# Altium PCB ic_tester.PcbDoc (part 1 of 2) (continued)
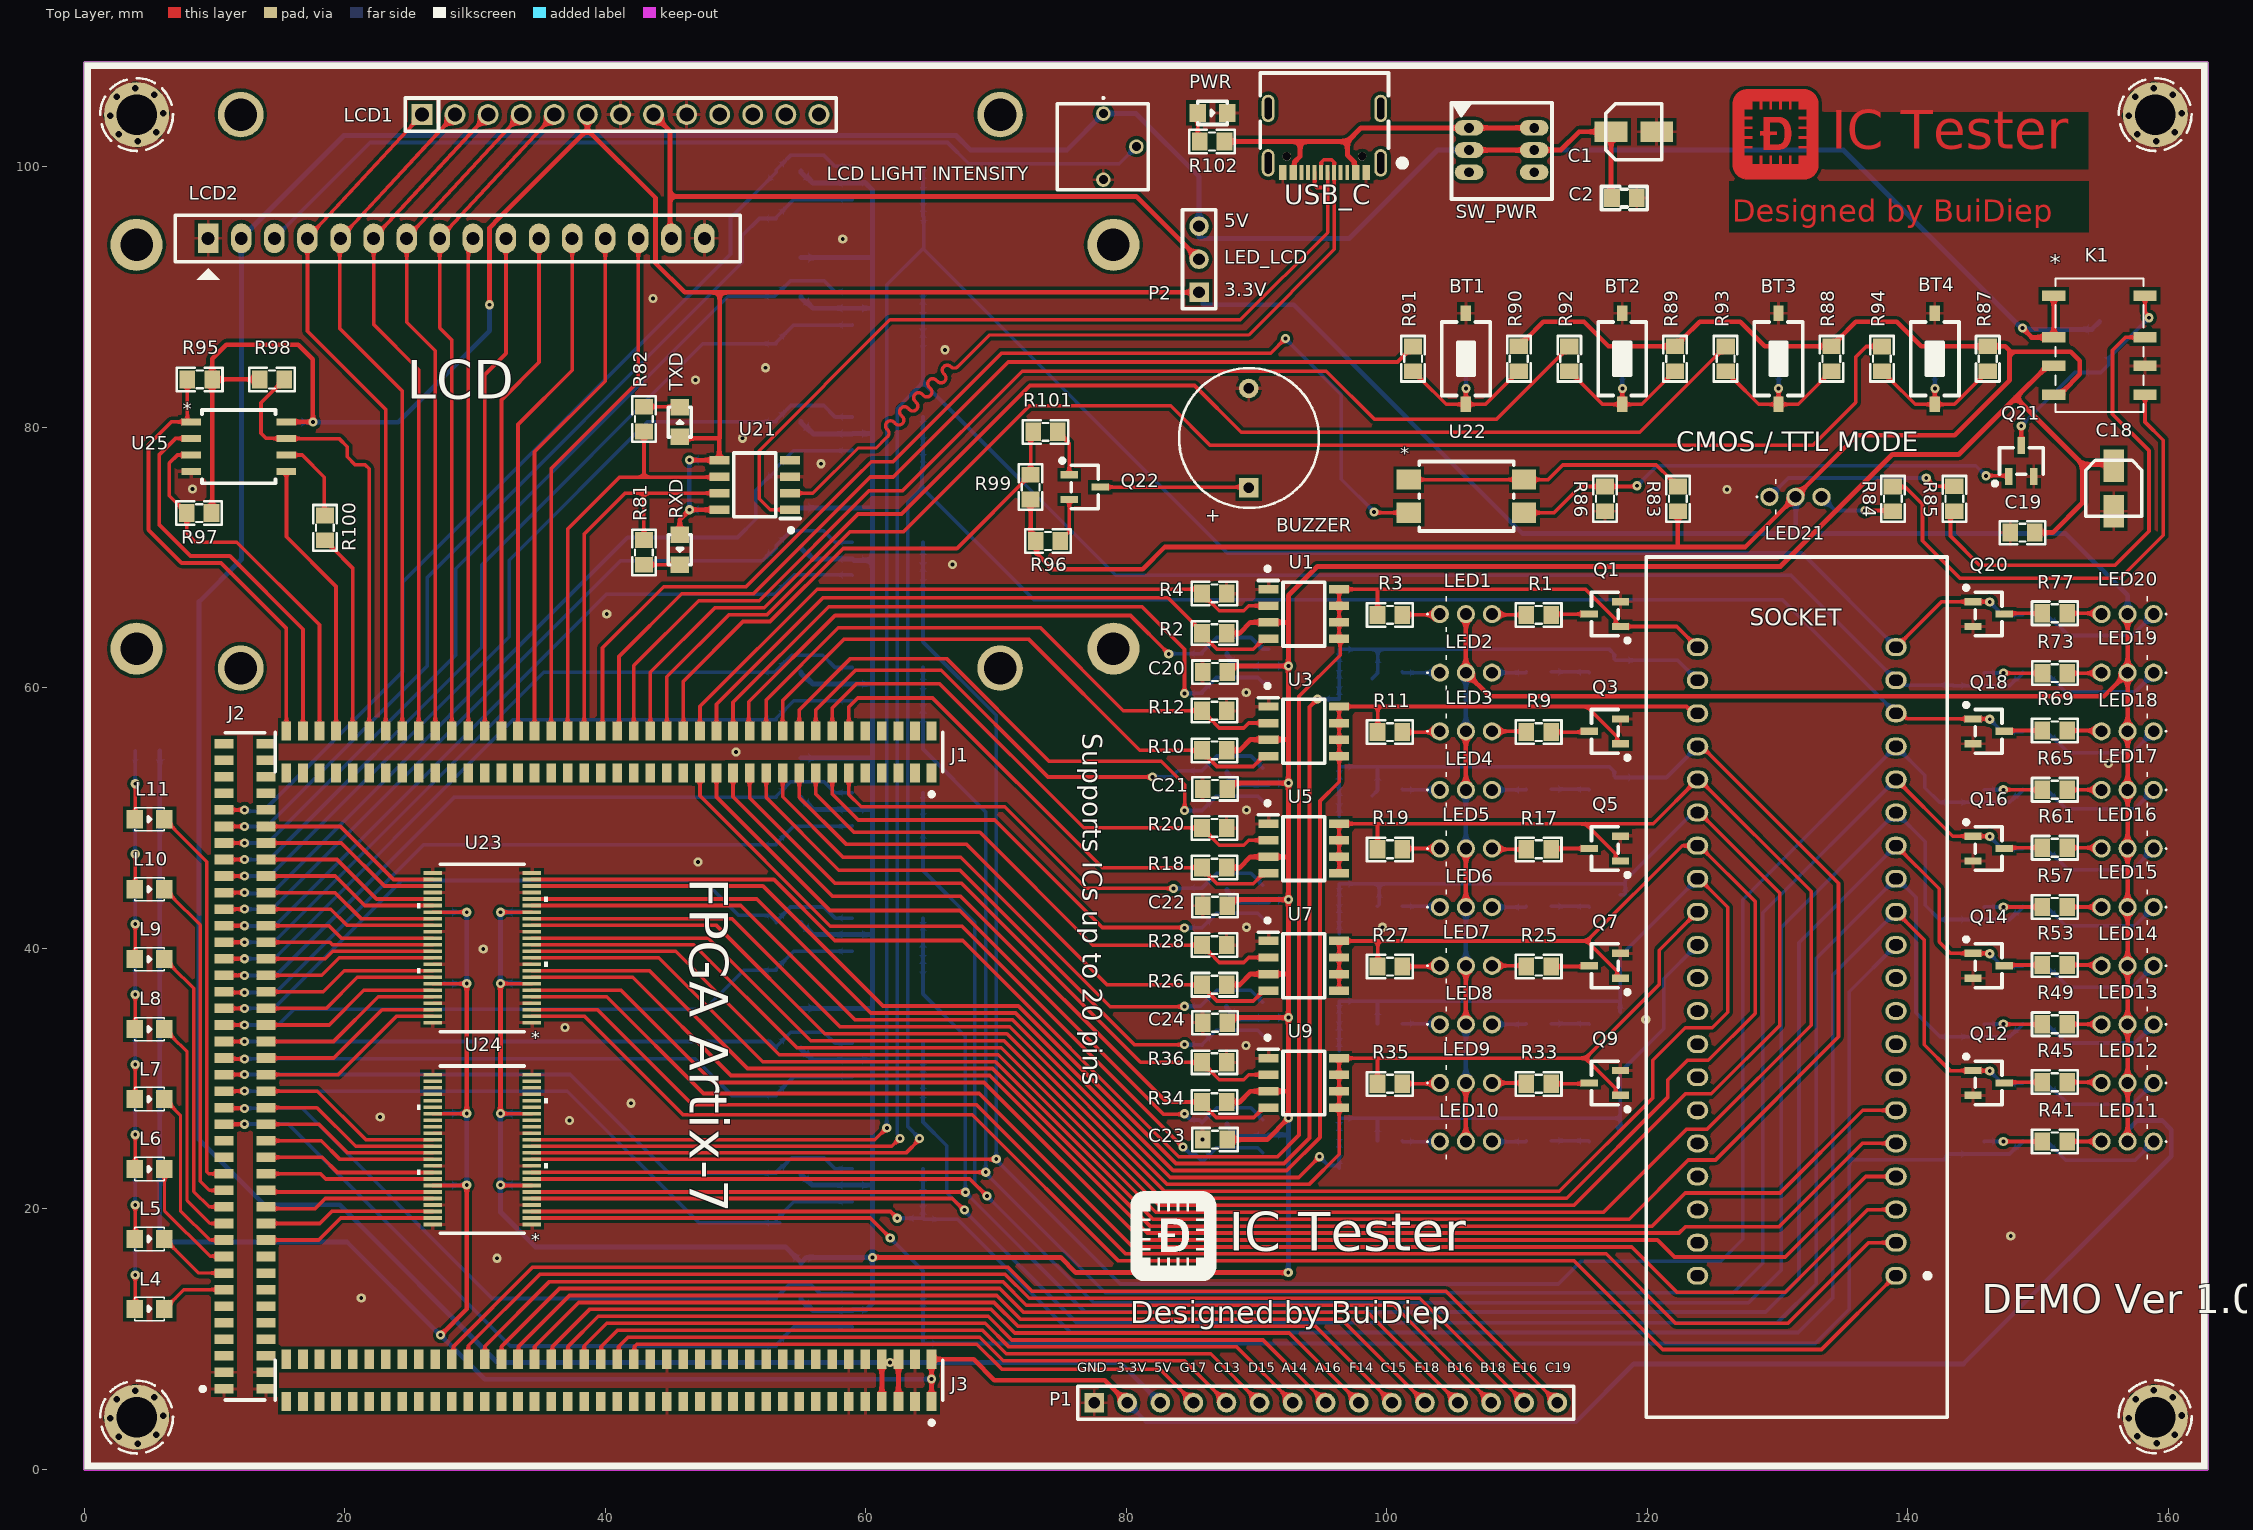
[diagram p0: Top Layer view]
## Footprints (in the part's own frame and the unit in brackets; to place one, negate y for a bottom-side part, rotate by r counter-clockwise, add the part's x,y. Pads: shape width x height; smd on the part's side, far side on the other; paste and mask are expansions set on the pad)
3362P_1 [mm]
  round 1.12 hole 0.69: 1(-2.54,3.53) 2(0,6.07) 3(2.54,3.53)
  silkscreen extent -3.78,0 3.3,6.99, body extent -3.3,-0.03 3.3,6.96, height 4.57
CLP-140-02-XXX-D-A [mm]
  rect 0.74x1.47 smd: 1(24.765,-1.615) 2(24.765,1.615) 3(23.495,-1.615) 4(23.495,1.615) 5(22.225,-1.615) 6(22.225,1.615) 7(20.955,-1.615) 8(20.955,1.615) 9(19.685,-1.615) 10(19.685,1.615) 11(18.415,-1.615) 12(18.415,1.615) 13(17.145,-1.615) 14(17.145,1.615) 15(15.875,-1.615) 16(15.875,1.615) 17(14.605,-1.615) 18(14.605,1.615) 19(13.335,-1.615) 20(13.335,1.615) 21(12.065,-1.615) 22(12.065,1.615) 23(10.795,-1.615) 24(10.795,1.615) 25(9.525,-1.615) 26(9.525,1.615) 27(8.255,-1.615) 28(8.255,1.615) 29(6.985,-1.615) 30(6.985,1.615) 31(5.715,-1.615) 32(5.715,1.615) 33(4.445,-1.615) 34(4.445,1.615) 35(3.175,-1.615) 36(3.175,1.615) 37(1.905,-1.615) 38(1.905,1.615) 39(0.635,-1.615) 40(0.635,1.615) 41(-0.635,-1.615) 42(-0.635,1.615) 43(-1.905,-1.615) 44(-1.905,1.615) 45(-3.175,-1.615) 46(-3.175,1.615) 47(-4.445,-1.615) 48(-4.445,1.615) 49(-5.715,-1.615) 50(-5.715,1.615) 51(-6.985,-1.615) 52(-6.985,1.615) 53(-8.255,-1.615) 54(-8.255,1.615) 55(-9.525,-1.615) 56(-9.525,1.615) 57(-10.795,-1.615) 58(-10.795,1.615) 59(-12.065,-1.615) 60(-12.065,1.615) 61(-13.335,-1.615) 62(-13.335,1.615) 63(-14.605,-1.615) 64(-14.605,1.615) 65(-15.875,-1.615) 66(-15.875,1.615) 67(-17.145,-1.615) 68(-17.145,1.615) 69(-18.415,-1.615) 70(-18.415,1.615) 71(-19.685,-1.615) 72(-19.685,1.615) 73(-20.955,-1.615) 74(-20.955,1.615) 75(-22.225,-1.615) 76(-22.225,1.615) 77(-23.495,-1.615) 78(-23.495,1.615) 79(-24.765,-1.615) 80(-24.765,1.615)
  silkscreen extent -25.62,-3.38 25.62,1.53, body extent -25.62,-2.28 25.62,2.28, height 2.47
"Coi Chip Speacker" [mm]
  rect 1.5x1.5 hole 0.8: 1(0,0)
  round 1.5 hole 0.8: 2(7.62,0.013)
  silkscreen extent -1.55,-5.38 9.18,5.36, body extent -2.22,-6 13.24,6, height 4.5
CONN40_40-6554_ARS [mil]
  oval 65x54 / inner round 60 / far side round 54 hole 42 slot 34 at 90 deg paste-27 mask+0: 1(-300,950) 2(300,950) 3(-300,850) 4(300,850) 5(-300,750) 6(300,750) 7(-300,650) 8(300,650) 9(-300,550) 10(300,550) 11(-300,450) 12(300,450) 13(-300,350) 14(300,350) 15(-300,250) 16(300,250) 17(-300,150) 18(300,150) 19(-300,50) 20(300,50) 21(-300,-50) 22(300,-50) 23(-300,-150) 24(300,-150) 25(-300,-250) 26(300,-250) 27(-300,-350) 28(300,-350) 29(-300,-450) 30(300,-450) 31(-300,-550) 32(300,-550) 33(-300,-650) 34(300,-650) 35(-300,-750) 36(300,-750) 37(-300,-850) 38(300,-850) 39(-300,-950) 40(300,-950)
  silkscreen extent -455,-1223 455,1377, body extent -452,-1219 455,1372, height 472
DGG48 [mm]
  rect 1.404x0.279 smd paste+0 mask+0: 1(-3.801,5.75) 2(-3.801,5.25) 3(-3.801,4.75) 4(-3.801,4.25) 5(-3.801,3.75) 6(-3.801,3.25) 7(-3.801,2.75) 8(-3.801,2.25) 9(-3.801,1.75) 10(-3.801,1.25) 11(-3.801,0.75) 12(-3.801,0.25) 13(-3.801,-0.25) 14(-3.801,-0.75) 15(-3.801,-1.25) 16(-3.801,-1.75) 17(-3.801,-2.25) 18(-3.801,-2.75) 19(-3.801,-3.25) 20(-3.801,-3.75) 21(-3.801,-4.25) 22(-3.801,-4.75) 23(-3.801,-5.25) 24(-3.801,-5.75) 25(3.801,-5.75) 26(3.801,-5.25) 27(3.801,-4.75) 28(3.801,-4.25) 29(3.801,-3.75) 30(3.801,-3.25) 31(3.801,-2.75) 32(3.801,-2.25) 33(3.801,-1.75) 34(3.801,-1.25) 35(3.801,-0.75) 36(3.801,-0.25) 37(3.801,0.25) 38(3.801,0.75) 39(3.801,1.25) 40(3.801,1.75) 41(3.801,2.25) 42(3.801,2.75) 43(3.801,3.25) 44(3.801,3.75) 45(3.801,4.25) 46(3.801,4.75) 47(3.801,5.25) 48(3.801,5.75)
  silkscreen extent -5.01,-6.43 5.01,6.43, body extent -4.15,-6.3 4.15,6.3, height 1.2
"DIODE SMA" [mm] "SMA"
  rect 2.5x1.7 smd: 1(-2,0) 2(2,0)
  silkscreen extent -3.68,-1.65 3.75,1.65, body extent -2.6,-1.37 2.6,1.37, height 2.4
"G6K-2F-Y DC3_OMR" [mm]
  rect 1.8x0.8 smd paste+0 mask+0: 1(-3.5,3.8) 2(-3.5,0.6) 3(-3.5,-1.6) 4(-3.5,-3.8) 5(3.5,-3.8) 6(3.5,-1.6) 7(3.5,0.6) 8(3.5,3.8)
  silkscreen extent -3.38,-5.13 3.38,5.13, body extent -2.61,-5.02 2.63,4.97, height 3.81
GMG12864-06D [mm] "9 pins, 1 row, straight, gold plating"
  rect 1.6x1.6 hole 1.1: 1(0,0)
  round 1.6 hole 1.1: 2(-2.54,0) 3(-5.08,0) 4(-7.62,0) 5(-10.16,0) 6(-12.7,0) 7(-15.24,0) 8(-17.78,0) 9(-20.32,0) 10(-22.86,0) 11(-25.4,0) 12(-27.94,0) 13(-30.48,0)
  round 3.5 hole 2.5: ""(-44.39,42.5) ""(-44.39,0) ""(13.91,42.5) ""(13.91,0)
  silkscreen extent -31.8,-1.27 1.27,1.27, body extent -46.18,-1.62 15.62,44.17, height 9.61
HDR1X3 [mm] "Connector; Header; 3 Position"
  rect 1.5x1.5 hole 0.9: 1(0,0)
  round 1.5 hole 0.9: 2(2.54,0) 3(5.08,0)
  silkscreen extent -1.27,-1.27 6.35,1.27
HDR1X15 [mm] "Connector; Header; 15 Position"
  rect 1.5x1.5 hole 0.9: 1(0,0)
  round 1.5 hole 0.9: 2(2.54,0) 3(5.08,0) 4(7.62,0) 5(10.16,0) 6(12.7,0) 7(15.24,0) 8(17.78,0) 9(20.32,0) 10(22.86,0) 11(25.4,0) 12(27.94,0) 13(30.48,0) 14(33.02,0) 15(35.56,0)
  silkscreen extent -1.27,-1.27 36.83,1.27
LCD16X2N [mil] "LCD dipslay 16x2, 16 pin"
  rect 62x90 hole 39: 1(0,0)
  oval 62x90 hole 39: 2(100,0) 3(200,0) 4(300,0) 5(400,0) 6(500,0) 7(600,0) 8(700,0) 9(800,0) 10(900,0) 11(1000,0) 12(1100,0) 13(1200,0) 14(1300,0) 15(1400,0) 16(1500,0)
  round 157.48 hole 98.43: ""(-216.54,-1240.16) ""(-216.54,-19.68) ""(2736.22,-1240.16) ""(2736.22,-19.68)
  silkscreen extent -100,-125 1608,70, body extent -320,-1353 2850,84, height 764
LED-0805-Green [mil]
  rect 50x55 smd: 1(-45,0) 2(45,0)
  silkscreen extent -45,-35 45,35, body extent -40,-25 40,25, height 43
LED-0805-GREEN [mil]
  rect 50x55 smd: 1(-45,0) 2(45,0)
  silkscreen extent -45,-35 45,35, body extent -40,-25 40,25, height 43
LED-0805-RED [mil]
  rect 50x55 smd: 1(-45,0) 2(45,0)
  silkscreen extent -45,-35 45,35, body extent -40,-25 40,25, height 43
"Nut Nhan 2 Chan SMD 3x6x2.5" [mm] "Switch SMD type"
  rect 1.2x0.8 smd: 1(-3.5,0) 2(3.5,0)
  silkscreen extent -2.82,-1.85 2.82,1.85, body extent -3.05,-1.85 3.05,1.85, height 2.5
PC817XI_SHP [mil]
  rect 73x61 smd paste+0 mask+0: 1(-174.5,50) 2(-174.5,-50) 3(174.5,-50) 4(174.5,50)
  silkscreen extent -143,-105 143,105, body extent -197,-100 197,100, height 181
SOIC127P600X175-8N [mm]
  rect 1.525x0.65 smd: 1(-2.712,1.905) 2(-2.712,0.635) 3(-2.712,-0.635) 4(-2.712,-1.905) 5(2.712,-1.905) 6(2.712,-0.635) 7(2.712,0.635) 8(2.712,1.905)
  silkscreen extent -3.47,-2.45 1.6,3.61, body extent -3,-2.45 3,2.45, height 1.75
SOT-23-3L_AOS [mil]
  rect 22x52 smd paste+0 mask+0: 1(-37.5,-47) 2(37.5,-47) 3(0,47)
  silkscreen extent -85,-73 66,41, body extent -61,-59 61,59, height 49
SW_70_31.5D47_TH_ST [mm] "CASE: TH"
  oval 1.2x2.2 hole 0.75: 0(3.4,5) 0(3.4,0) 1(0,0) 2(1.7,0) 3(1.7,5) 4(0,5)
  silkscreen extent -1.98,-1.35 5.46,6.38, body extent -1.74,-0.91 5.3,5.99, height 13.54
"TRO SMD 0805" [mm]
  rect 1.2x1.4 smd: 1(-0.946,-0.061) 2(0.954,-0.061)
  silkscreen extent -1.75,-0.97 1.75,0.84, body extent -1.56,-0.76 1.44,0.64, height 0.53
"tu 0805" [mm] "Compoment SMD 80x50mil"
  rect 1.2x1.4 smd: 1(-0.946,-0.003) 2(0.954,-0.003)
  silkscreen extent -1.75,-0.89 1.75,0.89, body extent -1.01,-0.64 1.01,0.63, height 0.61
"Tu 0805" [mm] "Compoment SMD 80x50mil"
  rect 1.2x1.4 smd: 1(-0.946,-0.003) 2(0.954,-0.003)
  silkscreen extent -1.75,-0.89 1.75,0.89, body extent -1.01,-0.64 1.01,0.63, height 0.61
"tu nhom 4 (b)" [mm]
  rect 2.5x1.6 smd: 1(-1.75,0) 2(1.75,0)
  silkscreen extent -2.15,-2.15 2.15,2.15, body extent -2.31,-2.15 2.29,2.15, height 3.91
USB4105_GCT [mil]
  round 26 / inner round 60 / far side round 26 hole 26 unplated paste-13 mask-13: 17(-113.78,94.91) 18(113.78,94.91)
  rect 23x45 smd paste-22.5 mask+0: A1-B12(-125.98,143.14) A4-B9(-94.49,143.14) B1-A12(125.98,143.14) B4-A9(94.49,143.14)
  rect 12x45 smd paste+0 mask+0: A5(-49.21,143.14) A6(-9.84,143.14) A7(9.84,143.14) A8(49.21,143.14) B5(68.9,143.14) B6(29.53,143.14) B7(-29.53,143.14) B8(-68.9,143.14)
  oval 39x83 hole 65 slot 22 at 0 deg: ""(-170.08,-49.97) ""(-170.08,114.6) ""(170.08,-49.97) ""(170.08,114.6)
  silkscreen extent -245,-157 194,125, body extent -176,-152 176,160, height 130
WIN_SS-8_WIN [mil]
  rect 58.56x20.97 smd paste+0 mask+0: 1(-144,75) 2(-144,25) 3(-144,-25) 4(-144,-75) 5(144,-75) 6(144,-25) 7(144,25) 8(144,75)
  silkscreen extent -111,-111 111,111, body extent -159,-106 159,106, height 85
WP3VEGW [mm]
  round 1.4 hole 0.9: 1(0,2) 2(0,0) 3(0,-2)
  silkscreen extent -1.35,1.5 1.35,3, body extent -2,-2.35 2,2.35, height 11

## Part data
BUZZER: "Còi chip"
C1 C18: library part "Tu Nhom 10uF 16V", "Dán", Chung_Loai=Dán, Don_Vi=Con, Ma_Hang=MH001458, So_Chan=2, Ten_Linh_Kien="Tụ Nhôm 10uF 16V 4x5MM"
C2 C3 C4 C5 C6 C7 C8 C9 C19 C20 C21 C22 C23 C24 C25 C26 C27 C28 C29: library part "Tu 0805 106 16V 10%", "Dán", Chung_Loai=Dán, Don_Vi=Con, Ma_Hang=MH004553, So_Chan=2, Ten_Linh_Kien="Tụ 0805 106-10uF 10% 16V"
C10 C11 C12 C13 C14 C15 C16 C17: library part "Tu 104", "Dán", Chung_Loai=Dán, Don_Vi=Con, Ma_Hang=MH004551, Ten_Linh_Kien="Tụ 0805 104-100nF 10% 50V"
D1: library part "Diode SS14 ( 1N5819)", "Dán", Chung_Loai=Dán, Don_Vi=Con, Ma_Hang=MH002211, Ten_Linh_Kien="Diode SS14 DO214 Schottky 1A 40V ( 1N5819 DO214)"
J1 J2 J3: "Connector", Manufacturer_Name=SAMTEC, Manufacturer_Part_Number=CLP-140-02-G-D-A, Datasheet Link=http://suddendocs.samtec.com/prints/erm8-xxx-xx.x-xxx-dv-xxxx-xx-mkt.pdf, Height=2.37mm
K1: library part "G6K-2F-Y DC5", "RELAY MINI", Mfr_Name=Omron, Copyright="Copyright (C) 2023 Ultra Librarian. All rights reserved.", Manufacturer_Part_Number="G6K-2F-Y DC5", RefDes=RefDes, Type=DEV
L4 L5 L6 L7 L8 L9 L10 L11 PWR RXD: library part "LED 0805 Xanh La", "Dán", Chung_Loai=Dán, Don_Vi=Con, Ma_Hang=MH002326, Ten_Linh_Kien="LED 0805 Màu Xanh Lá (Green)"
LCD2: library part LCD16x2A, "LCD dipslay 16 char, 2 line"
"LCD LIGHT INTENSITY": library part VR, "Var Resistor"
LED1 LED2 LED3 LED4 LED5 LED6 LED7 LED8 LED9 LED10 LED11 LED12 LED13 LED14 LED15 LED16 LED17 LED18 LED19 LED20 LED21: "LED RED/GREEN 3mm", Manufacturer_Name=Kingbright, Mouser Part Number=604-WP3VEGW, Arrow Part Number=WP3VEGW, Arrow Price/Stock=https://www.arrow.com/en/products/wp3vegw/kingbright?region=nac, Datasheet Link=https://www.mouser.com/datasheet/2/216/WP3VEGW-47873.pdf, Height=6.93mm, Manufacturer_Part_Number=WP3VEGW, Mouser Price/Stock=https://www.mouser.co.uk/ProductDetail/Kingbright/WP3VEGW?qs=58z0TXQGVSS6OtgxGPtI4A%3D%3D
P1: "Header, 15-Pin", LatestRevisionDate=17-Jul-2002, LatestRevisionNote="Re-released for DXP Platform.", Publisher="Altium Limited"
P2: "Header, 3-Pin", LatestRevisionDate=17-Jul-2002, LatestRevisionNote="Re-released for DXP Platform.", Publisher="Altium Limited"
Q1 Q2 Q3 Q4 Q5 Q6 Q7 Q8 Q9 Q10 Q11 Q12 Q13 Q14 Q15 Q16 Q17 Q18 Q19 Q20 Q21: "N-MOSFET", Mfr_Name="Alpha and Omega Semiconductor", Copyright="Copyright (C) 2023 Ultra Librarian. All rights reserved.", Manufacturer_Part_Number=AO3400A, RefDes=RefDes, Type=DEV
Q22: "P-MOSFET", Mfr_Name="Alpha and Omega Semiconductor", Copyright="Copyright (C) 2023 Ultra Librarian. All rights reserved.", Manufacturer_Part_Number=AO3401A, RefDes=RefDes, Type=DEV
R1 R2 R3 R4 R5 R6 R7 R8 R9 R10 R11 R12 R13 R14 R15 R16 R17 R18 R19 R20 R21 R22 R23 R24 R25 R26 R27 R28 R29 R30 R31 R32 R33 R34 R35 R36 R37 R38 R39 R40 R41 R42 R43 R44 R45 R46 R47 R48 R49 R50 R51 R52 R53 R54 R55 R56 R57 R58 R59 R60 R61 R62 R63 R64 R65 R66 R67 R68 R69 R70 R71 R72 R73 R74 R75 R76 R77 R78 R79 R80 R81 R82 R83 R84 R85 R87 R88 R89 R90 R91 R92 R93 R94 R95 R96 R97 R98 R99 R100 R101 R102 R103 R104 R105 R106 R107 R108 R109 R110: library part "Tro 0805 1% 10k", "Dán", Chung_Loai=Dán, Don_Vi=Con, Ma_Hang=MH005473, So_Chan=2, Ten_Linh_Kien="Trở 0805 1% 10k"
R86: library part "Tro 0805 5% 10k", "Dán", Chung_Loai=Dán, Don_Vi=Con, Ma_Hang=MH005239, So_Chan=2, Ten_Linh_Kien="Trở 0805 5% 10k"
SOCKET: Manufacturer_Part_Number=40-6554-10, Mfr_Name=Aries, Copyright="Copyright (C) 2023 Ultra Librarian. All rights reserved.", RefDes=RefDes, Type=DEV
SW_PWR: library part SW2_BUTT-4-TH, "Tactile Switches MINI PUSH BUTTON SWITCH 4-PIN QTY. 4", Alternate Part Number-1=NA, Case/Package=TH, Manufacturer=Gravitech, Manufacturer Part Number=BUTT-4, Supplier Part Number-1=BUTT-4, Supplier-1="SP ROAD"
TXD: library part "LED 0805 Do", "Dán", Chung_Loai=Dán, Don_Vi=Con, Ma_Hang=MH000897, Ten_Linh_Kien="LED 0805 Màu Đỏ (Red)"
U1 U2 U3 U4 U5 U6 U7 U8 U9 U10 U11 U12 U13 U14 U15 U16 U17 U18 U19 U20: "SMALL SIGNAL FIELD-EFFECT TRANSISTOR, 6A I(D), 30V, 2-ELEMENT, N-CHANNEL AND P-CHANNEL, SILICON, METAL-OXIDE SEMICONDUCTOR FET", Manufacturer_Name="Alpha & Omega Semiconductors", Arrow Part Number=AO4606, Arrow Price/Stock=https://www.arrow.com/en/products/ao4606/alpha-and-omega-semiconductor?region=nac, Datasheet Link=https://datasheet.datasheetarchive.com/originals/distributors/Datasheets-AOS/DSAAOS100079.pdf, Geometry.Height=1.75mm, Manufacturer_Part_Number=AO4606
U21: "USB to TTL", Arrow Part Number=AO4606, Manufacturer_Name="Alpha & Omega Semiconductors", Arrow Price/Stock=https://www.arrow.com/en/products/ao4606/alpha-and-omega-semiconductor?region=nac, Datasheet Link=https://datasheet.datasheetarchive.com/originals/distributors/Datasheets-AOS/DSAAOS100079.pdf, Geometry.Height=1.75mm, Manufacturer_Part_Number=AO4606
U22: "cach ly quang", Mfr_Name=Sharp, Copyright="Copyright (C) 2023 Ultra Librarian. All rights reserved.", Manufacturer_Part_Number=PC817X1NIP1B, RefDes=RefDes, Type=DEV
U23 U24: library part CALVC164245MDGGREP, "3v3-5v, DIR enable", Mfr_Name="Texas Instruments", Copyright="Copyright (C) 2023 Ultra Librarian. All rights reserved.", Manufacturer_Part_Number=CALVC164245MDGGREP, RefDes=RefDes, Type=DEV
U25: "3v 16m-Bit Serial Flash Memory With Dual", Package=None, Availability=Unavailable, MF="{'manufacturer': u'Winbond Electronics'}", MP=W25Q16JVSSIQ, Price=None
USB_C: "No Description Available", Mfr_Name="Global Connector Technology", Copyright="Copyright (C) 2023 Ultra Librarian. All rights reserved.", Manufacturer_Part_Number=USB4105-GF-A, RefDes=RefDes, Type=DEV
BT1 BT2 BT3 BT4: Ma_Hang=MH001036, Ten="Nút Nhấn 2 Chân 3x6x2.5MM SMD"
LCD1: LatestRevisionDate=17-Jul-2002, LatestRevisionNote="Re-released for DXP Platform.", Publisher="Altium Limited"

## Free pads (board coordinates)
  round 0.5 hole 0.5: ""(1.967,3.898) ""(1.967,103.898) ""(2.491,5.365) ""(2.491,105.365) ""(2.634,2.491) ""(2.634,102.491) ""(3.898,6.032) ""(3.898,106.032) ""(4.101,1.968) ""(4.101,101.968) ""(5.364,5.509) ""(5.364,105.509) ""(5.508,2.635) ""(5.508,102.635) ""(6.031,4.102) ""(6.031,104.102) ""(156.942,103.898) ""(156.95,3.916) ""(157.465,105.365) ""(157.473,5.383) ""(157.609,102.491) ""(157.617,2.509) ""(158.872,106.032) ""(158.88,6.05) ""(159.076,101.968) ""(159.083,1.986) ""(160.339,105.509) ""(160.347,5.527) ""(160.483,102.635) ""(160.49,2.653) ""(161.006,104.102) ""(161.014,4.12)
  round 5 hole 3.1: ""(3.999,4) ""(3.999,104) ""(158.999,4) ""(158.999,104)

## Via types
v1: diameter 0.7, hole 0.3, Top Layer to Bottom Layer, tented both sides, 124 vias

## Nets (pads, with @x,y where several pads share a name; then routed paths per layer and width w, separated by ;. In a path a pad name is that pad's centre, name@x,y a point inside that pad or via, vN(x,y) a via of type N, cw(c..) or ccw(c..) an arc to the next point about the centre after c; other vN are vias at no path point)
3V3: C3.1 C4.1 C9.1 C11.2 C13.2 C15.2 C17.2 J3.1 J3.2 K1.4 LCD1.6 LED1.2 LED2.2 LED3.2 LED4.2 LED5.2 LED6.2 LED7.2 LED8.2 LED9.2 LED10.2 LED11.2 LED12.2 LED13.2 LED14.2 LED15.2 LED16.2 LED17.2 LED18.2 LED19.2 LED20.2 LED21.2 P1.2 P2.1 R83.2 R87.2 R88.2 R89.2 R90.2 R95.2 R96.2 R97.2 R98.2 R99.2 R103.1 R104.1 R105.1 R106.1 R107.1 R108.1 R109.1 R110.1 RXD.1 TXD.1 U21.5 U21.8 U23.31 U23.42 U24.31 U24.42 U25.8 | length 782
  Top Layer w0.279: U24.42@26.747,21.781 v1@29.318,21.781 ; U24.31@26.747,27.281 29.306,27.281 29.342,27.317 v1(29.349,27.317) ; U23.42@26.747,37.271 v1@29.345,37.271 ; U23.31@26.747,42.771 29.338,42.771 v1(29.349,42.76)
  Top Layer w0.356: R97.2@9.754,73.405 9.799,73.451 R95.2@9.799,83.666 ; R98.2@13.445,83.661 13.44,83.666 R95.2@9.799,83.666 ; U25.8@15.506,80.405 17.514,80.405 17.533,80.386 v1(17.54,80.386) 17.54,85.219 16.423,86.336 10.885,86.336 9.799,85.25 R95.2@9.799,83.666 ; v1(27.344,10.29) 29.349,12.294 v1(29.349,21.805) 29.342,21.805 v1@29.318,21.781 ; v1@29.345,37.271 v1(29.349,37.274) v1(29.349,27.317) ; v1(31.099,89.4) 31.099,95.32 31.854,96.075 38.609,102.83 ; LCD1.6@38.609,104 38.609,102.83 ; RXD.1@45.709,71.731 45.709,72.904 v1(46.466,73.661) U21.8@48.75,73.662 ; TXD.1@45.709,79.249 45.817,79.141 48.741,79.141 48.741,77.482 U21.5@48.75,77.472 v1(46.445,77.472) ; 48.765,79.141 48.765,90.348 ; J3.1@65.035,5.205 v1(65.035,6.914) J3.2@65.035,8.435 68.263,8.435 69.864,6.834 78.325,6.834 P1.2@80.059,5.1 ; R99.2@72.639,74.446 72.639,71.652 R96.2@73.03,71.261 73.093,71.197 73.093,70.305 74.309,69.089 81.243,69.089 82.954,70.8 122.069,70.8 122.299,70.8 ; P2.1@85.573,90.348 48.765,90.348 ; LED10.2@106.062,25.149 LED9.2@106.062,29.649 ; LED8.2@106.062,34.149 LED7.2@106.062,38.649 ; LED6.2@106.062,43.149 LED5.2@106.062,47.649 ; LED4.2@106.062,52.149 LED3.2@106.062,56.649 ; LED1.2@106.062,65.649 LED2.2@106.062,61.149 107.876,59.336 155.049,59.336 LED19.2@156.862,61.149 ; R90.2@110.123,86.206 110.223,86.206 110.683,86.667 110.683,86.767 112.005,88.089 115.127,88.089 117.009,86.206 R89.2@122.123,86.206 122.223,86.206 122.683,86.667 122.683,86.767 124.005,88.089 127.127,88.089 129.009,86.206 R88.2@134.123,86.206 134.223,86.206 134.683,86.667 134.683,86.767 136.005,88.089 139.127,88.089 141.009,86.206 R87.2@146.123,86.206 147.464,86.206 147.8,85.87 147.8,85.8 ; R83.2@122.339,73.546 122.339,70.839 122.299,70.8 ; K1.4@151.2,82.5 151.7,82.5 151.922,82.722 151.922,82.773 153.2,84.051 153.2,85.092 152.492,85.8 147.8,85.8 ; LED11.2@156.862,25.149 LED12.2@156.862,29.649 LED13.2@156.862,34.149 LED14.2@156.862,38.649 LED15.2@156.862,43.149 LED16.2@156.862,47.649 LED17.2@156.862,52.149 LED18.2@156.862,56.649 LED19.2@156.862,61.149 ; LED20.2@156.862,65.649 LED19.2@156.862,61.149 ; 38.609,102.83 43.84,97.599 43.84,92.583 46.076,90.348 48.765,90.348 ; 122.299,70.8 127.513,70.8 LED21.2@131.362,74.649 136.089,79.376 143.576,79.376 147.8,83.6 147.8,85.8
  Bottom Layer w0.356: R110.1@5.791,55.165 R109.1@5.791,49.775 R108.1@5.791,44.386 R107.1@5.791,38.997 R106.1@5.791,33.608 R105.1@5.791,28.219 R104.1@5.791,22.83 R103.1@5.791,17.441 20.159,17.441 27.31,10.29 v1(27.344,10.29) 30.724,6.91 65.031,6.91 v1(65.035,6.914) ; C9.1@16.103,80.402 16.118,80.386 v1(17.54,80.386) 24.087,80.386 31.099,87.398 v1(31.099,89.4) ; C13.2@27.642,21.828 27.664,21.805 v1(29.349,21.805) v1(29.349,27.317) 29.346,27.314 C17.2@27.642,27.314 ; C11.2@27.642,37.306 27.674,37.274 v1(29.349,37.274) v1(29.349,42.76) 28.961,42.76 28.954,42.767 C15.2@27.642,42.767 ; v1(46.445,77.472) 46.445,73.689 46.466,73.668 v1(46.466,73.661) C3.1@47.72,73.661 ; v1(46.445,77.472) C4.1@47.72,77.471 ; P1.2@80.059,5.1 81.5,3.659 114.543,3.659 118.962,8.079 144.261,8.079 160.212,24.03 160.212,26.062 159.501,26.773 157.621,26.773 156.942,26.094 156.942,25.229 LED11.2@156.862,25.149 ; P2.1@85.573,90.348 85.885,90.036 85.885,89.408 92.827,89.408 110.403,71.833 131.408,71.833 ; LED9.2@106.062,29.649 LED8.2@106.062,34.149 ; LED7.2@106.062,38.649 LED6.2@106.062,43.149 ; LED5.2@106.062,47.649 LED4.2@106.062,52.149 ; LED3.2@106.062,56.649 LED2.2@106.062,61.149 ; LED21.2@131.362,74.649 131.383,74.628 131.383,71.858 131.408,71.833 ; LED20.2@156.862,65.649 156.862,67.094 152.124,71.833 131.408,71.833
5V: "LCD LIGHT INTENSITY.1" C1.1 C2.1 D1.2 J3.5 J3.6 J3.7 J3.8 K1.1 K1.2 LCD2.2 P1.3 P2.3 SW_PWR.2 SW_PWR.3 | length 340.9
  Top Layer w0.381: J3.7@61.225,5.205 J3.8@61.225,8.435 ; J3.8@61.411,8.18 v1(61.838,8.18) 62.265,8.18 62.495,8.411 J3.6@62.495,8.435 J3.5@62.495,5.205 ; SW_PWR.2@106.299,101.276 SW_PWR.3@111.299,101.276 113.354,101.276 114.758,102.68 C1.1@117.201,102.68 117.201,97.664 C2.1@117.28,97.585 ; v1(148.8,87.6) 149.5,86.9 K1.2@151.2,86.9 ; K1.2@151.2,86.9 K1.1@151.2,90.1
  Bottom Layer w0.381: LCD2.2@12.039,94.5 12.039,69.84 8.799,66.6 8.799,25.3 13.799,20.3 19.594,20.3 31.713,8.18 v1(61.838,8.18) 79.519,8.18 P1.3@82.599,5.1 ; LCD2.2@12.039,94.505 12.786,95.252 12.791,95.252 19.928,102.389 66.918,102.389 68.01,101.297 75.441,101.297 78.224,104.079 80.721,104.079 85.575,99.225 85.575,95.431 P2.3@85.573,95.428 85.584,95.416 85.584,94.568 85.664,94.488 97.092,94.488 103.88,101.276 SW_PWR.2@106.299,101.276 ; SW_PWR.3@111.299,101.276 135.037,101.276 148.775,87.539 148.947,87.539 148.973,87.514 154.114,87.514 D1.2@154.7,88.1
5V_USB: R102.1 SW_PWR.1 SW_PWR.4 USB_C.A4-B9 USB_C.B4-A9 | length 29.4
  Top Layer w0.381: R102.1@87.522,101.932 93.334,101.932 ; USB_C.B4-A9@92.799,99.564 92.903,99.668 92.903,100.359 93.334,100.79 93.334,101.932 ; USB_C.A4-B9@97.599,99.564 97.496,99.668 97.496,100.359 96.966,100.889 96.966,101.932 ; SW_PWR.4@111.299,102.976 SW_PWR.1@106.299,102.976 98.011,102.976 96.966,101.932 ; 93.334,101.932 96.966,101.932
BEEP: J1.32 R99.1 R101.1 | length 40.4
  Top Layer w0.279: J1.32@45.985,56.681 45.985,60.501 50.56,65.076 52.638,65.076 58.251,70.69 66.983,70.69 R99.1@72.639,76.346 72.639,79.442 R101.1@72.836,79.639
CMOS-TTL: J1.42 U22.2 | length 87.5
  Top Layer w0.279: J1.42@39.635,56.681 39.777,56.823 39.777,63.056 44.464,67.743 50.794,67.743 59.12,76.069 60.401,77.35 62.072,77.35 70.398,85.676 91.075,85.676 v1(92.199,86.8) ; v1(98.999,73.5) 99.069,73.43 U22.2@101.667,73.43
  Bottom Layer w0.279: v1(92.199,86.8) 96.499,82.5 96.499,76 v1(98.999,73.5)
D0: J1.62 LCD1.4 LCD2.7 | length 51.7
  Top Layer w0.279: J1.62@26.935,56.681 26.935,85.865 24.739,88.06 LCD2.7@24.739,94.5 24.739,94.602 24.828,94.602 24.913,94.688 LCD1.4@33.529,104
D1: J1.60 LCD1.5 LCD2.8 | length 51.2
  Top Layer w0.279: J1.60@28.205,56.681 28.205,86.695 27.279,87.62 LCD2.8@27.279,94.5 27.279,94.602 27.368,94.602 27.453,94.688 LCD1.5@36.069,104
D2: J1.58 LCD2.9 | length 38
  Top Layer w0.279: J1.58@29.475,56.681 29.475,93.449 29.819,93.794 LCD2.9@29.819,94.5
D3: J1.56 LCD2.10 | length 38.5
  Top Layer w0.279: J1.56@30.745,56.681 30.745,84.047 32.359,85.661 LCD2.10@32.359,94.5
D4: J1.54 LCD2.11 | length 39
  Top Layer w0.279: J1.54@32.015,56.681 32.015,82.091 34.899,84.975 LCD2.11@34.899,94.5
D5: J1.52 LCD2.12 | length 39.5
  Top Layer w0.279: J1.52@33.285,56.681 33.285,80.211 37.439,84.366 LCD2.12@37.439,94.5
D6: J1.50 LCD2.13 | length 40.1
  Top Layer w0.279: J1.50@34.555,56.681 34.555,78.103 39.979,83.528 LCD2.13@39.979,94.5
D7: J1.48 LCD2.14 | length 40.6
  Top Layer w0.279: J1.48@35.825,56.681 35.825,76.808 42.519,83.502 LCD2.14@42.519,94.5
DEBUG_L0: J2.13 L4.2 | length 5.2
  Top Layer w0.254: L4.2@6.142,12.3 6.142,12.364 6.65,12.872 6.714,12.872 7.627,13.785 J2.13@10.715,13.785
DEBUG_L1: J2.15 L5.2 | length 5.7
  Top Layer w0.254: L5.2@6.142,17.671 6.142,17.608 6.65,17.1 6.714,17.1 8.759,15.055 J2.15@10.715,15.055
DEBUG_L2: J2.17 L6.2 | length 9.2
  Top Layer w0.254: L6.2@6.142,23.043 6.142,19.857 9.648,16.352 10.688,16.352 J2.17@10.715,16.325
DEBUG_L3: J2.19 L7.2 | length 13.4
  Top Layer w0.254: L7.2@6.142,28.414 6.142,28.351 6.65,27.843 6.714,27.843 7.367,27.189 7.367,19.832 9.604,17.595 J2.19@10.715,17.595
DEBUG_L4: J2.21 L8.2 | length 17.5
  Top Layer w0.254: L8.2@6.142,33.786 6.142,33.722 6.65,33.214 6.714,33.214 7.875,32.053 7.875,20.624 9.635,18.865 J2.21@10.715,18.865
DEBUG_L5: J2.23 L9.2 | length 21.6
  Top Layer w0.254: L9.2@6.142,39.157 6.142,39.094 6.65,38.586 6.714,38.586 8.383,36.916 8.383,21.316 9.564,20.135 J2.23@10.715,20.135
DEBUG_L6: J2.25 L10.2 | length 25.7
  Top Layer w0.254: L10.2@6.142,44.529 6.142,44.465 6.65,43.957 6.714,43.957 8.891,41.78 8.891,22.108 9.594,21.405 J2.25@10.715,21.405
DEBUG_L7: J2.27 L11.2 | length 29.8
  Top Layer w0.254: L11.2@6.142,49.9 6.142,49.837 6.65,49.329 6.714,49.329 9.399,46.643 9.399,22.824 9.548,22.675 J2.27@10.715,22.675
E: J1.64 LCD1.3 LCD2.6 | length 52.3
  Top Layer w0.279: J1.64@25.665,56.681 25.665,84.409 22.199,87.874 LCD2.6@22.199,94.5 22.199,94.602 22.288,94.602 22.373,94.688 LCD1.3@30.989,104
GND: "LCD LIGHT INTENSITY.3" BT1.2 BT2.2 BT3.2 BT4.2 BUZZER.2 C1.2 C2.2 C3.2 C4.2 C5.1 C6.1 C7.1 C8.1 C9.2 C10.1 C11.1 C12.1 C13.1 C14.1 C15.1 C16.1 C17.1 C18.2 C19.2 C20.2 C21.2 C22.2 C23.2 C24.2 C25.2 C26.2 C27.2 C28.2 C29.2 J2.1 J2.2 J2.3 J2.4 J3.3 J3.4 J3.9 J3.10 J3.11 J3.12 J3.33 J3.34 K1.6 LCD1.7 LCD1.9 LCD2.1 LCD2.16 P1.1 pad.@3.999,4 pad.@3.999,104 pad.@158.999,4 pad.@158.999,104 PWR.2 Q1.2 Q2.2 Q3.2 Q4.2 Q5.2 Q6.2 Q7.2 Q8.2 Q9.2 Q10.2 Q11.2 Q12.2 Q13.2 Q14.2 Q15.2 Q16.2 Q17.2 Q18.2 Q19.2 Q20.2 Q21.2 R4.1 R8.1 R12.1 R16.1 R20.1 R24.1 R28.1 R32.1 R36.1 R40.1 R44.1 R48.1 R52.1 R56.1 R60.1 R64.1 R68.1 R72.1 R76.1 R80.1 R86.2 U1.1 U2.1 U3.1 U4.1 U5.1 U6.1 U7.1 U8.1 U9.1 U10.1 U11.1 U12.1 U13.1 U14.1 U15.1 U16.1 U17.1 U18.1 U19.1 U20.1 U21.3 U23.1 U23.4 U23.10 U23.15 U23.21 U23.24 U23.25 U23.28 U23.34 U23.39 U23.45 U23.48 U24.1 U24.4 U24.10 U24.15 U24.21 U24.24 U24.25 U24.28 U24.34 U24.39 U24.45 U24.48 U25.4 USB_C.A1-B12 USB_C.B1-A12
  other v1: 21.249,13.133 31.669,16.19 147.894,17.89 85.846,25.303 37.225,26.773 22.705,27.051 41.969,28.09 89.168,32.539 36.899,33.9 119.869,34.515 30.619,39.94 89.219,41.607 99.658,41.607 47.106,46.61 89.219,50.598 155.386,54.18 50.013,55.067 89.194,59.641 40.095,65.66 66.638,69.445 126.099,75.2 8.295,75.262 56.544,77.19 50.521,79.146 46.903,83.618 52.287,84.558 66.069,85.94 43.651,89.892 58.217,94.437
H_P1: J1.28 R2.2 U1.4 | length 49.2
  Top Layer w0.279: J1.28@48.525,56.681 48.525,58.723 56.717,66.915 83.175,66.915 R2.2@85.331,64.759 ; R2.2@85.804,64.186 85.804,64.086 86.948,62.942 89.727,62.942 90.281,63.497 90.281,63.559 90.467,63.744 U1.4@90.904,63.744
H_P2: J1.24 R6.2 U2.4 | length 47.1
  Top Layer w0.279: J1.24@51.065,56.681 50.999,56.746 50.999,58.911 57.628,65.54 80.305,65.54 83.244,62.601 v1(83.244,62.59)
  Bottom Layer w0.279: v1(83.244,62.59) 83.267,62.612 R6.2@85.804,62.612 85.804,62.712 86.94,63.848 89.555,63.848 90.467,62.937 U2.4@90.904,62.937
H_P3: J1.20 R10.2 U3.4 | length 46.1
  Top Layer w0.279: J1.20@53.605,56.681 53.599,56.686 53.599,58.997 58.333,63.73 72.48,63.73 81.024,55.186 R10.2@85.804,55.186 85.804,55.086 86.948,53.942 89.727,53.942 90.281,54.497 90.281,54.559 90.467,54.744 U3.4@90.904,54.744
H_P4: J1.16 R14.2 U4.4 | length 41.6
  Top Layer w0.279: J1.16@56.145,56.681 56.145,58.291 59.196,61.342 65.775,61.342 73.979,53.138 v1(82.005,53.138)
  Bottom Layer w0.279: v1(82.005,53.138) 83.453,53.138 83.927,53.612 R14.2@85.804,53.612 86.94,54.748 89.555,54.748 U4.4@90.467,53.837
H_P5: J1.12 R18.2 U5.4 | length 40.7
  Top Layer w0.279: J1.12@58.685,56.681 58.685,58.52 59.374,59.209 65.114,59.209 78.137,46.186 R18.2@85.804,46.186 85.804,46.086 86.948,44.942 89.727,44.942 90.281,45.497 90.281,45.559 90.467,45.744 U5.4@90.904,45.744
H_P6: J1.11 R22.2 U6.4 | length 37.3
  Top Layer w0.279: J1.11@58.685,53.451 58.685,51.804 59.636,50.852 70.652,50.852 76.914,44.59 v1(83.619,44.59)
  Bottom Layer w0.279: v1(83.619,44.59) 84.462,44.59 84.485,44.612 R22.2@85.804,44.612 86.94,45.748 89.555,45.748 U6.4@90.467,44.837
H_P7: J1.17 R26.2 U7.4 | length 44.8
  Top Layer w0.279: J1.17@54.875,53.451 54.875,51.575 58.46,47.99 67.698,47.99 78.501,37.186 R26.2@85.804,37.186 85.804,37.086 86.948,35.942 89.727,35.942 90.281,36.497 90.281,36.559 90.467,36.744 U7.4@90.904,36.744
H_P8: J1.19 R30.2 U8.4 | length 46.3
  Top Layer w0.279: J1.19@53.605,53.451 53.605,51.626 58.241,46.99 67.269,46.99 78.759,35.5 84.426,35.5 84.462,35.536 v1(84.469,35.536)
  Bottom Layer w0.279: v1(84.469,35.536) 85.692,35.536 86.922,36.766 89.537,36.766 U8.4@90.449,35.855
H_P9: J1.25 R34.2 U9.4 | length 53.5
  Top Layer w0.279: J1.25@49.795,53.451 49.795,51.626 57.431,43.99 67.262,43.99 83.066,28.186 R34.2@85.804,28.186 85.804,28.086 86.893,26.997 89.782,26.997 90.281,27.497 90.281,27.559 90.467,27.744 U9.4@90.904,27.744
H_P10: J1.27 R38.2 U10.4 | length 55
  Top Layer w0.279: J1.27@48.525,53.45 48.525,51.6 57.236,42.89 67.194,42.89 82.841,27.243 84.261,27.243 84.264,27.246 84.426,27.246 v1(84.469,27.29)
  Bottom Layer w0.279: v1(84.469,27.29) 84.948,26.81 85.606,26.81 R38.2@85.804,26.612 86.94,27.748 89.555,27.748 U10.4@90.467,26.837
H_P11: J2.35 R42.2 U11.4 | length 55.1
  Top Layer w0.279: J2.35@10.715,27.755 10.766,27.704 v1(12.292,27.704)
  Bottom Layer w0.279: v1(12.292,27.704) 16.711,27.704 31.315,13.1 R42.2@53.108,13.1 53.108,13.2 54.102,14.194 55.771,14.194 56.511,13.454 U11.4@58.95,13.454
H_P12: J2.39 R46.2 U12.4 | length 52.3
  Top Layer w0.279: J2.39@10.715,30.295 v1(12.292,30.295)
  Bottom Layer w0.279: v1(12.292,30.295) 12.297,30.3 v1@12.315,30.3 ; v1@12.315,30.3 37.299,30.3 44.881,22.718 R46.2@53.108,22.718 53.108,22.818 53.568,23.279 53.67,23.279 54.31,23.919 56.783,23.919 57.63,23.072 U12.4@58.95,23.072
H_P13: J2.43 R50.2 U13.4 | length 49.3
  Top Layer w0.279: J2.43@10.715,32.835 v1(12.292,32.835)
  Bottom Layer w0.279: v1(12.292,32.835) 52.648,32.835 53.108,32.375 R50.2@53.108,32.337 ; R50.2@53.108,32.437 53.568,32.897 54.226,33.555 56.766,33.555 57.63,32.691 U13.4@58.95,32.691
H_P14: J2.47 R54.2 U14.4 | length 54.5
  Top Layer w0.279: J2.47@10.715,35.375 v1(12.292,35.375)
  Bottom Layer w0.279: v1(12.292,35.375) 14.534,35.375 24.359,45.2 47.551,45.2 50.236,42.515 52.648,42.515 R54.2@53.108,42.055 ; R54.2@53.108,41.955 R54.2@53.108,42.055 ; U14.4@58.95,42.309 57.63,42.309 56.783,43.156 54.209,43.156 53.568,42.515 R54.2@53.108,42.055
H_P15: J2.51 R58.2 U15.4 | length 54.7
  Top Layer w0.279: J2.51@10.715,37.915 v1(12.292,37.915)
  Bottom Layer w0.279: v1(12.292,37.915) 12.299,37.915 12.314,37.9 14.697,37.9 28.37,51.573 R58.2@53.108,51.573 ; R58.2@53.108,51.673 53.568,52.133 54.209,52.774 56.783,52.774 57.63,51.927 U15.4@58.95,51.927
H_P16: J2.55 R62.2 U16.4 | length 57.7
  Top Layer w0.279: J2.55@10.715,40.455 v1(12.292,40.455)
  Bottom Layer w0.279: v1(12.292,40.455) 14.534,40.455 35.271,61.191 R62.2@53.108,61.191 ; R62.2@53.108,61.291 53.568,61.752 54.302,62.485 56.69,62.485 57.63,61.545 U16.4@58.95,61.545
H_P17: J2.59 R66.2 U17.4 | length 60.6
  Top Layer w0.279: J2.59@10.715,42.995 v1(12.292,42.995)
  Bottom Layer w0.279: v1(12.292,42.995) 12.295,42.992 14.405,42.992 41.162,69.75 52.048,69.75 52.548,70.249 52.648,70.249 53.108,70.709 R66.2@53.108,70.809 ; R66.2@53.108,70.909 53.568,71.37 54.234,72.036 56.758,72.036 57.63,71.163 U17.4@58.95,71.163
H_P18: J2.63 R70.2 U18.4 | length 67
  Top Layer w0.279: J2.63@10.715,45.535 v1(12.292,45.535)
  Bottom Layer w0.279: v1(12.292,45.535) 14.23,45.535 32.602,63.908 32.602,69.775 43.255,80.428 R70.2@53.108,80.428 ; R70.2@53.108,80.528 53.568,80.988 54.243,81.662 56.749,81.662 57.63,80.782 U18.4@58.95,80.782
H_P19: J2.67 R74.2 U19.4 | length 70.4
  Top Layer w0.279: J2.67@10.715,48.075 v1(12.292,48.075)
  Bottom Layer w0.279: v1(12.292,48.075) 14.077,48.075 28.513,62.511 28.513,69.14 49.417,90.044 53.006,90.044 54.209,91.247 56.783,91.247 57.63,90.4 U19.4@58.95,90.4
H_P20: J2.71 R78.2 U20.4 | length 75.3
  Top Layer w0.279: J2.71@10.715,50.615 v1(12.292,50.615)
  Bottom Layer w0.279: v1(12.292,50.615) 12.299,50.615 12.312,50.602 12.323,50.602 12.425,50.5 13.708,50.5 24.424,61.215 24.424,68.099 49.599,93.275 49.599,96.056 53.108,99.564 53.108,99.764 53.568,100.224 54.209,100.865 56.783,100.865 57.63,100.018 U20.4@58.95,100.018
HEAD_P4: J3.38 P1.4 | length 45.9
  Top Layer w0.279: J3.38@42.175,8.435 42.225,8.485 42.225,9.425 42.399,9.599 68.504,9.599 70.42,7.683 82.556,7.683 P1.4@85.139,5.1
HEAD_P5: J3.40 P1.5 | length 50.1
  Top Layer w0.279: J3.40@40.905,8.435 41.025,8.555 41.025,9.425 41.732,10.133 68.725,10.133 70.54,8.318 84.461,8.318 P1.5@87.679,5.1
HEAD_P6: J3.42 P1.6 | length 54.4
  Top Layer w0.279: J3.42@39.635,8.435 39.678,8.478 39.678,9.425 40.919,10.666 68.946,10.666 70.761,8.851 86.468,8.851 P1.6@90.219,5.1
HEAD_P7: J3.44 P1.7 | length 58.7
  Top Layer w0.279: J3.44@38.365,8.435 38.365,9.465 40.099,11.2 69.167,11.2 70.982,9.385 88.475,9.385 P1.7@92.759,5.1
HEAD_P8: J3.46 P1.8 | length 62.9
  Top Layer w0.279: J3.46@37.095,8.435 37.131,8.472 37.131,9.425 39.439,11.733 69.388,11.733 71.203,9.918 90.481,9.918 P1.8@95.299,5.1
HEAD_P9: J3.48 P1.9 | length 67.1
  Top Layer w0.279: J3.48@35.825,8.435 35.925,8.535 35.925,9.425 38.766,12.266 69.609,12.266 71.424,10.452 92.488,10.452 96.848,6.092 P1.9@97.839,5.1
HEAD_P10: J3.50 P1.10 | length 71.4
  Top Layer w0.279: J3.50@34.555,8.435 34.573,8.453 34.573,9.425 37.948,12.8 69.83,12.8 71.645,10.985 94.494,10.985 P1.10@100.379,5.1
HEAD_P11: J3.52 P1.11 | length 75.6
  Top Layer w0.279: J3.52@33.285,8.435 33.325,8.475 33.325,9.425 37.233,13.333 70.051,13.333 71.865,11.518 96.501,11.518 P1.11@102.919,5.1
HEAD_P12: J3.54 P1.12 | length 79.9
  Top Layer w0.279: J3.54@32.015,8.435 32.025,8.445 32.025,9.425 36.466,13.867 70.272,13.867 72.086,12.052 98.508,12.052 P1.12@105.459,5.1
HEAD_P13: J3.56 P1.13 | length 84.2
  Top Layer w0.279: J3.56@30.745,8.435 30.745,9.445 35.699,14.4 70.493,14.4 72.307,12.585 100.514,12.585 P1.13@107.999,5.1
HEAD_P14: J3.58 P1.14 | length 88.5
  Top Layer w0.279: J3.58@29.475,8.435 29.475,9.475 34.966,14.967 70.68,14.967 72.528,13.119 102.521,13.119 P1.14@110.539,5.1
HEAD_P15: J3.60 P1.15 | length 92.6
  Top Layer w0.279: J3.60@28.205,8.435 28.325,8.555 28.325,9.425 34.399,15.5 70.901,15.5 72.749,13.652 104.527,13.652 P1.15@113.079,5.1
IN_EXT_1: J2.40 U23.47 | length 14.7
  Top Layer w0.279: J2.40@13.945,30.295 19.475,30.295 23.95,34.771 U23.47@26.747,34.771
IN_EXT_2: J2.42 U23.46 | length 14.3
  Top Layer w0.279: J2.42@13.945,31.565 19.145,31.565 22.85,35.271 U23.46@26.747,35.271
IN_EXT_3: J2.44 U23.44 | length 14.2
  Top Layer w0.279: J2.44@13.945,32.835 19.115,32.835 22.55,36.271 U23.44@26.747,36.271
IN_EXT_4: J2.46 U23.43 | length 13.9
  Top Layer w0.279: J2.46@13.945,34.105 18.785,34.105 21.45,36.771 U23.43@26.747,36.771
IN_EXT_5: J2.48 U23.41 | length 13.8
  Top Layer w0.279: J2.48@13.945,35.375 18.555,35.375 20.95,37.771 U23.41@26.747,37.771
IN_EXT_6: J2.50 U23.40 | length 13.5
  Top Layer w0.279: J2.50@13.945,36.645 18.325,36.645 19.95,38.271 U23.40@26.747,38.271
IN_P1: J2.70 U23.26 | length 14.5
  Top Layer w0.279: J2.70@13.945,49.345 19.654,49.345 23.729,45.271 U23.26@26.747,45.271
IN_P2: J2.68 U23.27 | length 14.2
  Top Layer w0.279: J2.68@13.945,48.075 19.724,48.075 23.029,44.771 U23.27@26.747,44.771
IN_P3: J2.66 U23.29 | length 14.1
  Top Layer w0.279: J2.66@13.945,46.805 19.394,46.805 22.429,43.771 U23.29@26.747,43.771
IN_P4: J2.52 U23.38 | length 13.4
  Top Layer w0.279: J2.52@13.945,37.915 18.214,37.915 19.57,39.271 U23.38@26.747,39.271
IN_P5: J2.54 U23.37 | length 13
  Top Layer w0.279: J2.54@13.945,39.185 18.484,39.185 19.07,39.771 U23.37@26.747,39.771
IN_P6: J2.56 U23.36 | length 12.9
  Top Layer w0.279: J2.56@13.945,40.455 18.844,40.455 19.029,40.271 U23.36@26.747,40.271
IN_P7: J2.58 U23.35 | length 13.2
  Top Layer w0.279: J2.58@13.945,41.725 18.774,41.725 19.729,40.771 U23.35@26.747,40.771
IN_P8: J2.60 U23.33 | length 13.3
  Top Layer w0.279: J2.60@13.945,42.995 18.904,42.995 20.129,41.771 U23.33@26.747,41.771
IN_P9: J2.62 U23.32 | length 13.6
  Top Layer w0.279: J2.62@13.945,44.265 19.234,44.265 21.229,42.271 U23.32@26.747,42.271
IN_P10: J2.64 U23.30 | length 13.7
  Top Layer w0.279: J2.64@13.945,45.535 19.264,45.535 21.529,43.271 U23.30@26.747,43.271
IN_P11: J2.20 U24.47 | length 13.5
  Top Layer w0.279: J2.20@13.945,17.595 17.994,17.595 19.681,19.281 U24.47@26.747,19.281
IN_P12: J2.22 U24.46 | length 13.2
  Top Layer w0.279: J2.22@13.945,18.865 18.064,18.865 18.999,19.8 26.084,19.8 26.103,19.781 U24.46@26.747,19.781
IN_P13: J2.24 U24.44 | length 13.2
  Top Layer w0.279: J2.24@13.945,20.135 14.08,20 17.699,20 18.481,20.781 U24.44@26.747,20.781
IN_P14: J2.26 U24.43 | length 12.9
  Top Layer w0.279: J2.26@13.945,21.405 14.068,21.281 U24.43@26.747,21.281
IN_P15: J2.28 U24.41 | length 13
  Top Layer w0.279: J2.28@13.945,22.675 18.124,22.675 18.518,22.281 U24.41@26.747,22.281
IN_P16: J2.30 U24.40 | length 13.3
  Top Layer w0.279: J2.30@13.945,23.945 18.254,23.945 19.418,22.781 U24.40@26.747,22.781
IN_P17: J2.32 U24.38 | length 13.4
  Top Layer w0.279: J2.32@13.945,25.215 18.184,25.215 19.618,23.781 U24.38@26.747,23.781
IN_P18: J2.34 U24.37 | length 13.7
  Top Layer w0.279: J2.34@13.945,26.485 18.014,26.485 20.218,24.281 U24.37@26.747,24.281